# Altium PCB Archimajor.PcbDoc (part 8 of 12) (continued)
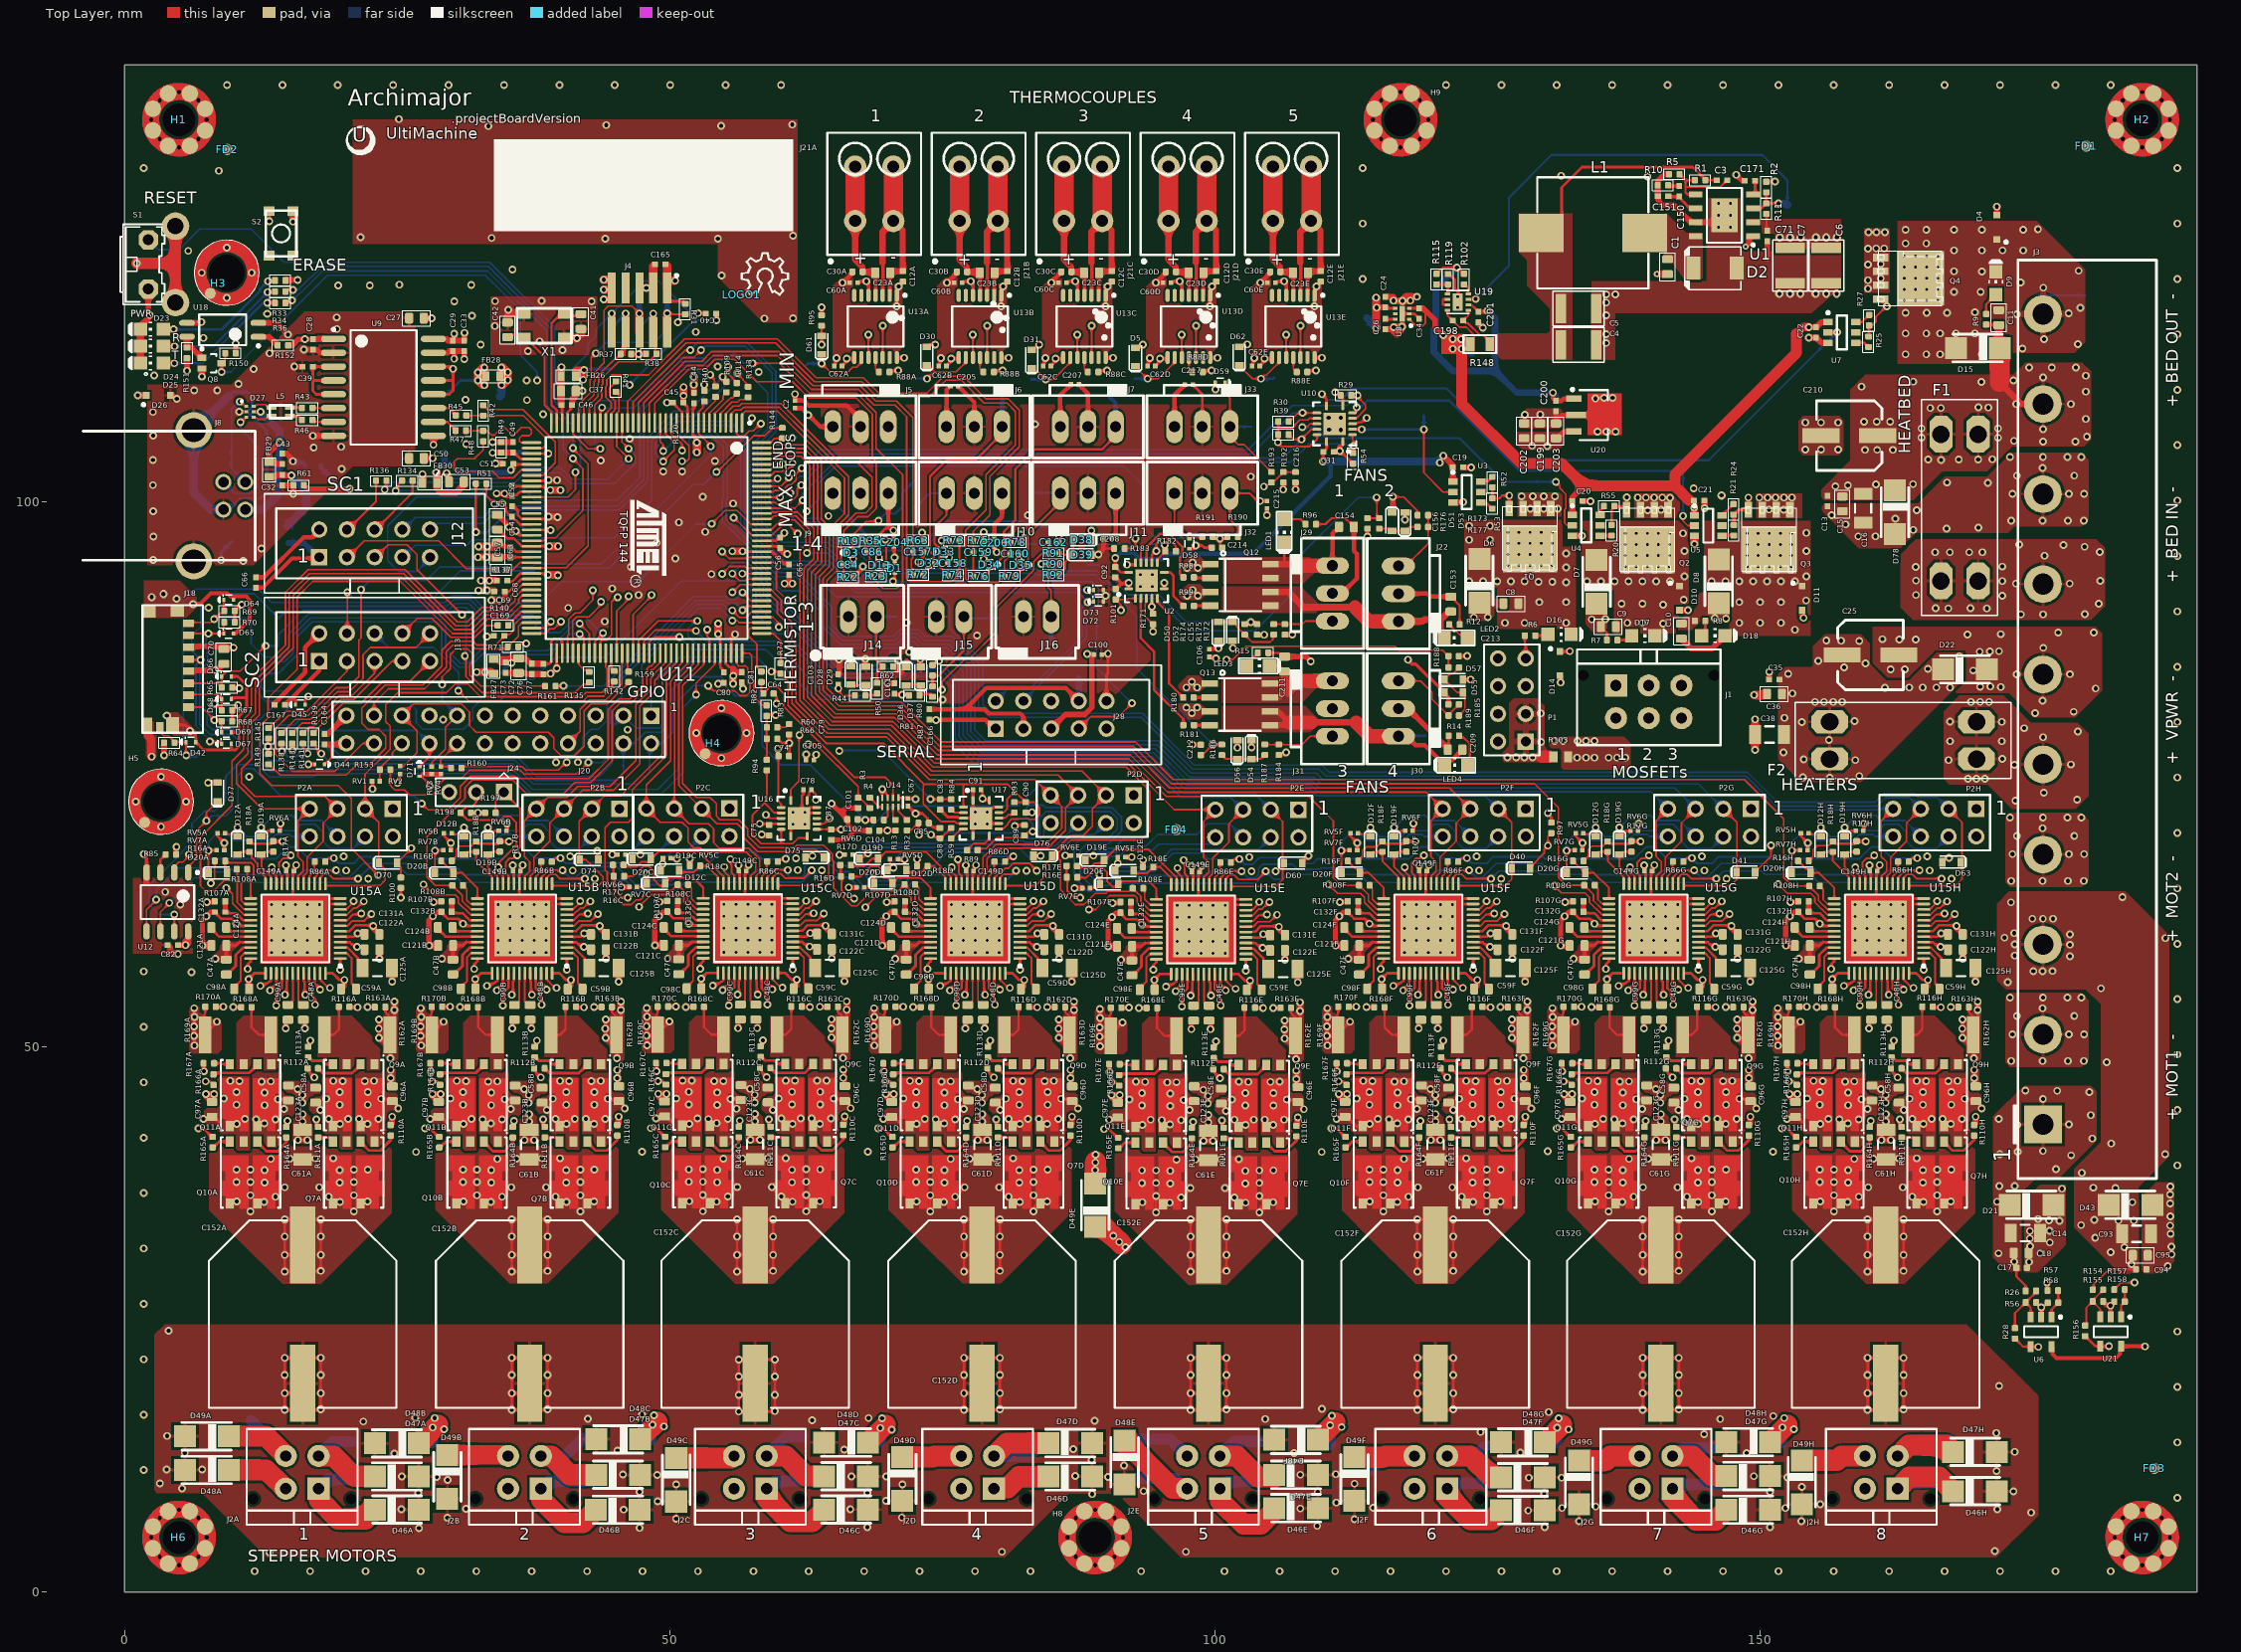
[diagram p0: Top Layer view]
## Nets (pads, with @x,y where several pads share a name; then routed paths per layer and width w, separated by ;. In a path a pad name is that pad's centre, name@x,y a point inside that pad or via, vN(x,y) a via of type N, cw(c..) or ccw(c..) an arc to the next point about the centre after c; other vN are vias at no path point) (continued)
  Top Layer w0.254: R112G.2@142.28,48.019 142.737,47.562 145.393,47.562 146.179,48.348 Q9G.2@146.179,48.395
NetQ9G_4: Q9G.4 R113G.1 | length 2.6
  Top Layer w0.254: R113G.1@141.264,48.911 141.569,48.911 141.774,48.705 142.686,48.705 142.996,48.395 Q9G.4@143.639,48.395
NetQ9H_1: Q9H.1 Q9H.3 R116H.2 R162H.2 | length 3.6
  Top Layer w0.203: R162H.2@163.511,51.075 164.335,51.075 164.835,51.575 R116H.2@164.835,53.658
NetQ9H_2: Q9H.2 R112H.2 | length 4.5
  Top Layer w0.254: R112H.2@162.93,48.019 163.387,47.562 166.043,47.562 166.829,48.348 Q9H.2@166.829,48.395
NetQ9H_4: Q9H.4 R113H.1 | length 2.6
  Top Layer w0.254: R113H.1@161.914,48.911 162.219,48.911 162.425,48.705 163.336,48.705 163.646,48.395 Q9H.4@164.289,48.395
NetQ10A_2: Q10A.2 R164A.2 | length 3.9
  Top Layer w0.254: Q10A.2@12.192,41.295 12.192,41.248 13.015,40.425 14.047,40.425 14.834,41.212 R164A.2@14.834,41.72
NetQ10A_4: Q10A.4 R165A.1 | length 1.6
  Top Layer w0.254: R165A.1@8.204,40.882 8.28,40.882 8.694,41.295 Q10A.4@9.652,41.295
NetQ10B_2: Q10B.2 R164B.2 | length 3.9
  Top Layer w0.254: Q10B.2@32.967,41.295 32.967,41.248 33.79,40.425 34.822,40.425 35.609,41.212 R164B.2@35.609,41.72
NetQ10B_4: Q10B.4 R165B.1 | length 1.6
  Top Layer w0.254: R165B.1@28.979,40.882 29.055,40.882 29.469,41.295 Q10B.4@30.427,41.295
NetQ10C_2: Q10C.2 R164C.2 | length 3.9
  Top Layer w0.254: Q10C.2@53.675,41.32 53.675,41.273 54.498,40.45 55.53,40.45 56.316,41.237 R164C.2@56.316,41.745
NetQ10C_4: Q10C.4 R165C.1 | length 1.6
  Top Layer w0.254: R165C.1@49.687,40.906 49.763,40.906 50.177,41.32 Q10C.4@51.135,41.32
NetQ10D_2: Q10D.2 R164D.2 | length 3.9
  Top Layer w0.254: Q10D.2@74.517,41.295 74.517,41.248 75.34,40.425 76.372,40.425 77.159,41.212 R164D.2@77.159,41.72
NetQ10D_4: Q10D.4 R165D.1 | length 1.6
  Top Layer w0.254: R165D.1@70.529,40.882 70.605,40.882 71.019,41.295 Q10D.4@71.977,41.295
NetQ10E_2: Q10E.2 R164E.2 | length 3.9
  Top Layer w0.254: Q10E.2@95.225,41.22 95.225,41.173 96.048,40.35 97.08,40.35 97.866,41.137 R164E.2@97.866,41.645
NetQ10E_4: Q10E.4 R165E.1 | length 1.6
  Top Layer w0.254: R165E.1@91.237,40.806 91.313,40.806 91.727,41.22 Q10E.4@92.685,41.22
NetQ10F_2: Q10F.2 R164F.2 | length 3.9
  Top Layer w0.254: Q10F.2@116.067,41.295 116.067,41.248 116.89,40.425 117.922,40.425 118.709,41.212 R164F.2@118.709,41.72
NetQ10F_4: Q10F.4 R165F.1 | length 1.6
  Top Layer w0.254: R165F.1@112.079,40.882 112.155,40.882 112.569,41.295 Q10F.4@113.527,41.295
NetQ10G_2: Q10G.2 R164G.2 | length 3.9
  Top Layer w0.254: Q10G.2@136.718,41.295 136.718,41.248 137.541,40.425 138.572,40.425 139.359,41.212 R164G.2@139.359,41.72
NetQ10G_4: Q10G.4 R165G.1 | length 1.6
  Top Layer w0.254: R165G.1@132.729,40.882 132.806,40.882 133.219,41.295 Q10G.4@134.178,41.295
NetQ10H_2: Q10H.2 R164H.2 | length 3.9
  Top Layer w0.254: Q10H.2@157.368,41.295 157.368,41.248 158.191,40.425 159.222,40.425 160.009,41.212 R164H.2@160.009,41.72
NetQ10H_4: Q10H.4 R165H.1 | length 1.6
  Top Layer w0.254: R165H.1@153.38,40.882 153.456,40.882 153.869,41.295 Q10H.4@154.828,41.295
NetQ11A_1: Q11A.1 Q11A.3 R168A.2 R169A.2 | length 3.9
  Top Layer w0.203: R168A.2@11.65,53.625 11.65,51.762 12.336,51.075 R169A.2@13.412,51.075
NetQ11A_2: Q11A.2 R166A.2 | length 4.5
  Top Layer w0.254: R166A.2@8.162,47.458 8.162,47.59 11.434,47.59 12.192,48.348 Q11A.2@12.192,48.395
NetQ11A_4: Q11A.4 R167A.1 | length 1.5
  Top Layer w0.203: R167A.1@8.217,48.475 8.84,48.475 8.92,48.395 Q11A.4@9.652,48.395
NetQ11B_1: Q11B.1 Q11B.3 R168B.2 R169B.2 | length 3.9
  Top Layer w0.203: R168B.2@32.425,53.625 32.425,51.762 33.111,51.075 R169B.2@34.187,51.075
NetQ11B_2: Q11B.2 R166B.2 | length 4.5
  Top Layer w0.254: R166B.2@28.937,47.458 28.937,47.59 32.209,47.59 32.967,48.348 Q11B.2@32.967,48.395
NetQ11B_4: Q11B.4 R167B.1 | length 1.5
  Top Layer w0.203: R167B.1@28.992,48.475 29.615,48.475 29.695,48.395 Q11B.4@30.427,48.395
NetQ11C_1: Q11C.1 Q11C.3 R168C.2 R169C.2 | length 3.9
  Top Layer w0.203: R168C.2@53.133,53.65 53.133,51.786 53.819,51.1 R169C.2@54.895,51.1
NetQ11C_2: Q11C.2 R166C.2 | length 4.5
  Top Layer w0.254: R166C.2@49.645,47.482 49.645,47.615 52.917,47.615 53.675,48.373 Q11C.2@53.675,48.42
NetQ11C_4: Q11C.4 R167C.1 | length 1.5
  Top Layer w0.203: R167C.1@49.7,48.5 50.323,48.5 50.403,48.42 Q11C.4@51.135,48.42
NetQ11D_1: Q11D.1 Q11D.3 R168D.2 R169D.2 | length 3.9
  Top Layer w0.203: R168D.2@73.975,53.625 73.975,51.762 74.661,51.075 R169D.2@75.737,51.075
NetQ11D_2: Q11D.2 R166D.2 | length 4.5
  Top Layer w0.254: R166D.2@70.487,47.458 70.487,47.59 73.759,47.59 74.517,48.348 Q11D.2@74.517,48.395
NetQ11D_4: Q11D.4 R167D.1 | length 1.5
  Top Layer w0.203: R167D.1@70.542,48.475 71.165,48.475 71.245,48.395 Q11D.4@71.977,48.395
NetQ11E_1: Q11E.1 Q11E.3 R168E.2 R169E.2 | length 3.9
  Top Layer w0.203: R168E.2@94.683,53.55 94.683,51.686 95.369,51 R169E.2@96.445,51
NetQ11E_2: Q11E.2 R166E.2 | length 4.5
  Top Layer w0.254: R166E.2@91.195,47.382 91.195,47.515 94.467,47.515 95.225,48.273 Q11E.2@95.225,48.32
NetQ11E_4: Q11E.4 R167E.1 | length 1.5
  Top Layer w0.203: R167E.1@91.25,48.4 91.873,48.4 91.953,48.32 Q11E.4@92.685,48.32
NetQ11F_1: Q11F.1 Q11F.3 R168F.2 R169F.2 | length 3.9
  Top Layer w0.203: R168F.2@115.525,53.625 115.525,51.762 116.211,51.075 R169F.2@117.287,51.075
NetQ11F_2: Q11F.2 R166F.2 | length 4.5
  Top Layer w0.254: R166F.2@112.037,47.458 112.037,47.59 115.309,47.59 116.067,48.348 Q11F.2@116.067,48.395
NetQ11F_4: Q11F.4 R167F.1 | length 1.5
  Top Layer w0.203: R167F.1@112.092,48.475 112.715,48.475 112.795,48.395 Q11F.4@113.527,48.395
NetQ11G_1: Q11G.1 Q11G.3 R168G.2 R169G.2 | length 3.9
  Top Layer w0.203: R168G.2@136.175,53.625 136.175,51.762 136.862,51.075 R169G.2@137.938,51.075
NetQ11G_2: Q11G.2 R166G.2 | length 4.5
  Top Layer w0.254: R166G.2@132.688,47.458 132.688,47.59 135.959,47.59 136.718,48.348 Q11G.2@136.718,48.395
NetQ11G_4: Q11G.4 R167G.1 | length 1.5
  Top Layer w0.203: R167G.1@132.743,48.475 133.366,48.475 133.446,48.395 Q11G.4@134.178,48.395
NetQ11H_1: Q11H.1 Q11H.3 R168H.2 R169H.2 | length 3.9
  Top Layer w0.203: R168H.2@156.825,53.625 156.825,51.762 157.512,51.075 R169H.2@158.588,51.075
NetQ11H_2: Q11H.2 R166H.2 | length 4.5
  Top Layer w0.254: R166H.2@153.338,47.458 153.338,47.59 156.61,47.59 157.368,48.348 Q11H.2@157.368,48.395
NetQ11H_4: Q11H.4 R167H.1 | length 1.5
  Top Layer w0.203: R167H.1@153.393,48.475 154.016,48.475 154.096,48.395 Q11H.4@154.828,48.395
NetQ12_2: Q12.2 R98.2 | length 1.5
  Top Layer w0.229: R98.2@98.05,93.034 98.114,92.971 Q12.2@99.563,92.971
NetQ12_4: Q12.4 R99.2 | length 1.5
  Top Layer w0.229: R99.2@98.05,90.409 98.072,90.431 Q12.4@99.563,90.431
NetQ13_2: Q13.2 R180.2 | length 1.5
  Top Layer w0.254: R180.2@98.025,82.009 99.489,82.009 Q13.2@99.5,82.02
NetQ13_4: Q13.4 R181.2 | length 1.5
  Top Layer w0.254: R181.2@98.05,79.434 98.096,79.48 Q13.4@99.5,79.48
NetR2_2: R2.2 R11.1 R28.1 R156.1 TP69.TP U1.3 U6.4 U19.3 U21.4 | length 196
  Top Layer w0.203: U19.3@123.199,118.525 123.864,118.525 v1(123.893,118.554) ; U1.3@149.319,126.866 150.075,126.866 R11.1@150.529,127.32 ; R2.2@150.529,128.339 R11.1@150.529,127.32 ; v5(151.641,127.298) 151.619,127.32 R11.1@150.529,127.32 ; R28.1@173.329,23.237 173.349,23.237 173.526,23.06 173.526,23.04 174.06,22.505 U6.4@174.776,22.505 175.432,22.505 v1(175.469,22.469) ; R156.1@179.768,23.467 179.788,23.467 179.965,23.29 179.965,23.27 180.694,22.541 181.135,22.541 U21.4@181.155,22.521 181.934,22.521 v1(181.94,22.528)
  Mid1 w0.203: v1@123.821,118.483 v1(123.893,118.554) ; v5(151.641,127.298) 154.086,129.742 176.135,129.742 185.743,120.134 185.743,26.33 v1(181.94,22.528) 175.528,22.528 v1(175.469,22.469)
  Bottom Layer w0.203: v1(123.893,118.554) 126.941,121.602 126.941,127.857 130.843,131.759 150.168,131.759 152.476,129.451 TP69.TP@152.476,127.178
  Bottom Layer w0.711: v5(151.641,127.298) 152.356,127.298 TP69.TP@152.476,127.178
NetR3_2: R3.2 U14.5 | length 1.5
  Top Layer w0.165: R3.2@68.343,72.842 68.352,72.842 68.547,72.647 68.547,72.638 69.198,71.987 U14.5@69.468,71.987
NetR4_2: R4.2 U14.6 | length 1.3
  Top Layer w0.165: R4.2@69.63,70.784 69.63,70.794 69.825,70.989 69.835,70.989 69.968,71.122 U14.6@69.968,71.987
NetR13_2: R13.2 U14.7 | length 1.3
  Top Layer w0.165: U14.7@70.468,71.987 70.468,71.086 70.489,71.065 70.489,70.987 70.683,70.792 R13.2@70.693,70.792
NetR20_1: R20.1 U4.4 | length 1.3
  Top Layer w0.203: U4.4@135.143,97.041 U4.4@135.32,96.864
  Top Layer w0.254: U4.4@135.3,96.844 135.32,96.864 R20.1@136.35,96.864
NetR21_1: R21.1 U5.4 | length 1.1
  Top Layer w0.203: U5.4@146.546,96.888 147.529,96.888 R21.1@147.551,96.866
  Top Layer w0.254: U5.4@146.485,96.827 U5.4@146.546,96.888
NetR24_1: R24.1 U5.6 | length 1.5
  Top Layer w0.203: U5.6@146.485,98.727 146.497,98.727 R24.1@147.526,99.756
NetR25_1: R25.1 U7.4 | length 1.3
  Top Layer w0.203: U7.4@158.738,114.543 159.512,114.543 R25.1@159.905,114.149
NetR26_2: R26.2 R28.2 R56.2 U6.3 | length 5.8
  Top Layer w0.203: R28.2@173.329,24.199 173.329,25.565 174.115,26.351 174.134,26.351 R56.2@174.311,26.528 ; U6.3@174.776,25.205 174.776,26.083 174.508,26.351 174.489,26.351 R56.2@174.311,26.528 ; R26.2@175.278,27.6 175.106,27.428 175.106,27.342 174.508,26.745 174.489,26.745 174.311,26.568 R56.2@174.311,26.548 R56.2@174.311,26.528
NetR27_1: R27.1 U7.6 | length 1.5
  Top Layer w0.178: U7.6@158.75,116.43 159.296,116.43 R27.1@159.956,117.091
NetR32_2: R32.2 U14.8 | length 1.5
  Top Layer w0.165: U14.8@70.968,71.987 70.968,71.566 71.539,70.996 71.539,70.987 71.733,70.792 R32.2@71.743,70.792
NetR42_1: R42.1 U11.43 | length 12.6
  Top Layer w0.152: R42.1@32.893,108.824 33.297,108.421 36.539,108.421 39.51,105.45 39.51,103.548 38.349,102.388 U11.43@37.329,102.388
NetR48_1: R48.1 U11.42 | length 12.2
  Top Layer w0.152: R48.1@32.893,105.502 32.893,104.712 32.08,103.899 30.505,103.899 30.226,103.62 30.226,103.036 30.505,102.756 33.757,102.756 34.329,102.184 35.662,102.184 36.365,102.888 U11.42@37.329,102.888
NetR51_1: R51.1 U11.53 | length 13.8
  Top Layer w0.203: v1@32.21,97.174 R51.1@32.21,101.613 ; U11.53@37.329,97.388 39.049,97.388 v1(39.065,97.372)
  Bottom Layer w0.203: v1@32.283,97.13 33.238,97.13 34.419,98.311 35.795,98.311 36.176,97.93 36.189,97.93 36.748,97.372 v1(39.065,97.372)
  other v1: 32.215,97.174
NetR52_1: R52.1 U3.6 | length 1.3
  Top Layer w0.254: U3.6@124.345,101.811 124.436,101.902 125.064,101.902 125.239,102.077 125.239,102.102 125.392,102.255 R52.1@125.417,102.255
NetR53_1: R53.1 U3.4 | length 1.3
  Top Layer w0.203: U3.4@124.345,99.911 124.475,99.781 124.956,99.781 125.22,99.517 125.22,99.497 125.397,99.32 R53.1@125.417,99.32
NetR55_1: R55.1 U4.6 | length 0.9
  Top Layer w0.203: U4.6@135.3,98.744 135.3,99.159 R55.1@135.656,99.516
NetR57_1: R57.1 R58.2 U6.1 | length 2.7
  Top Layer w0.203: U6.1@176.676,25.205 176.676,25.897 177.105,26.326 177.125,26.326 177.302,26.503 R58.2@177.302,26.523 177.302,27.614 R57.1@177.276,27.639
NetR59_2: R59.2 U17.6 | length 1.5
  Top Layer w0.165: R59.2@75.8,69.097 75.831,69.097 76.637,69.904 76.637,69.907 76.69,69.96 U17.6@76.919,69.96
NetR77_2: R77.2 U11.109 | length 4.1
  Top Layer w0.165: U11.109@58.429,87.888 59.49,87.888 60.168,87.209 R77.2@60.168,85.167
NetR82_2: R82.2 U11.110 | length 5.5
  Top Layer w0.165: R82.2@58.393,84.392 57.993,84.792 57.993,86.898 57.243,87.648 57.243,88.193 57.437,88.388 U11.110@58.429,88.388
NetR83_2: R83.2 U11.108 | length 6.3
  Top Layer w0.165: U11.108@56.629,86.088 57.271,86.088 57.518,85.841 57.518,83.759 57.718,83.559 57.718,82.084 58.51,81.292 R83.2@58.868,81.292
NetR84_2: R84.2 U17.3 | length 1.2
  Top Layer w0.165: R84.2@75.8,71.727 75.841,71.727 76.109,71.46 U17.3@76.919,71.46
NetR86A_2: R86A.2 U15A.16 | length 2.2
  Top Layer w0.166: U15A.16@16.932,64.935 16.932,65.592 17.406,66.066 R86A.2@17.406,66.96
NetR86B_2: R86B.2 U15B.16 | length 2.2
  Top Layer w0.166: U15B.16@37.707,64.935 37.707,65.592 38.181,66.066 R86B.2@38.181,66.96
NetR86C_2: R86C.2 U15C.16 | length 2.2
  Top Layer w0.166: U15C.16@58.415,64.96 58.415,65.617 58.888,66.09 R86C.2@58.888,66.984
NetR86D_2: R86D.2 U15D.16 | length 2.2
  Top Layer w0.166: U15D.16@79.257,64.935 79.257,65.592 79.731,66.066 R86D.2@79.731,66.96
NetR86E_2: R86E.2 U15E.16 | length 2.2
  Top Layer w0.166: U15E.16@99.965,64.86 99.965,65.517 100.438,65.99 R86E.2@100.438,66.884
NetR86F_2: R86F.2 U15F.16 | length 2.2
  Top Layer w0.166: U15F.16@120.807,64.935 120.807,65.592 121.281,66.066 R86F.2@121.281,66.96
NetR86G_2: R86G.2 U15G.16 | length 2.2
  Top Layer w0.166: U15G.16@141.458,64.935 141.458,65.592 141.931,66.066 R86G.2@141.931,66.96
NetR86H_2: R86H.2 U15H.16 | length 2.2
  Top Layer w0.166: U15H.16@162.108,64.935 162.108,65.592 162.581,66.066 R86H.2@162.581,66.96
NetR88A_1: R88A.1 U13A.11 | length 1.5
  Top Layer w0.166: U13A.11@68.865,113.189 68.865,112.172 R88A.1@69.177,111.859
NetR88B_1: R88B.1 U13B.11 | length 1.5
  Top Layer w0.166: U13B.11@78.441,113.189 78.441,112.172 R88B.1@78.753,111.859
NetR88C_1: R88C.1 U13C.11 | length 1.5
  Top Layer w0.166: U13C.11@88.016,113.189 88.016,112.172 R88C.1@88.329,111.859
NetR88D_1: R88D.1 U13D.11 | length 1.5
  Top Layer w0.166: U13D.11@97.592,113.189 97.592,112.172 R88D.1@97.905,111.859
NetR88E_1: R88E.1 U13E.11 | length 1.5
  Top Layer w0.166: U13E.11@107.168,113.189 107.168,112.172 R88E.1@107.48,111.859
NetR89_2: R89.2 U17.8 | length 2.8
  Top Layer w0.166: R89.2@77.254,68.016 77.254,68.026 77.465,68.238 77.467,68.238 77.872,68.643 78.878,68.643 79.3,69.065 U17.8@79.3,69.329
NetR93_2: R93.2 U17.11 | length 1.6
  Top Layer w0.165: U17.11@80.181,70.96 80.203,70.982 80.752,70.982 81.043,71.273 81.414,71.273 R93.2@81.593,71.452
NetR94_2: R94.2 U16.3 U16.6 U16.8 | length 15.4
  Top Layer w0.165: 58.655,72.322 57.593,71.259 57.593,69.382 58.363,68.612 60.212,68.612 ; R94.2@58.893,75.347 58.893,72.559 58.684,72.35 59.109,71.926 59.578,71.456 60.19,71.456 U16.3@60.212,71.434 ; U16.6@60.212,69.934 60.212,68.612 ; U16.8@62.593,69.304 62.593,69.179 62.54,69.126 61.778,69.126 61.263,68.612 60.212,68.612
NetR98_1: R98.1 U2.11 | length 8.7
  Top Layer w0.229: U2.11@93.699,94.369 93.699,95.772 94.942,97.014 95.813,97.014 96.997,95.83 96.997,95.064 96.756,94.822 96.756,93.367 R98.1@97.088,93.034
NetR99_1: R99.1 U2.8 | length 4.1
  Top Layer w0.229: U2.8@95.329,93.488 95.864,93.488 96.193,93.159 96.193,91.304 96.897,90.6 96.923,90.6 97.088,90.435 R99.1@97.088,90.409
NetR102_1: R102.1 U19.4 | length 1.1
  Top Layer w0.152: R102.1@122.782,119.799 122.973,119.799 123.199,119.574 U19.4@123.199,119.025
NetR108A_1: R108A.1 U15A.26 | length 4.1
  Top Layer w0.152: U15A.26@11.004,63.099 10.703,63.4 10.703,64.956 11.253,65.506 R108A.1@11.253,66.276
  Top Layer w0.178: U15A.26@11.004,63.099 11.569,63.099 U15A.26@11.582,63.085
NetR108B_1: R108B.1 U15B.26 | length 2.6
  Top Layer w0.152: R108B.1@31.028,64.776 31.028,64.77 31.25,64.547 31.257,64.547 31.398,64.406 31.398,63.429 31.723,63.104 32.339,63.104 U15B.26@32.357,63.085
NetR108C_1: R108C.1 U15C.26 | length 2.7
  Top Layer w0.152: R108C.1@51.678,64.851 51.678,64.845 51.9,64.622 51.907,64.622 51.998,64.531 51.998,63.562 52.431,63.128 53.047,63.128 U15C.26@53.065,63.11
NetR108D_1: R108D.1 U15D.26 | length 2.8
  Top Layer w0.152: R108D.1@72.478,64.901 72.838,64.541 72.838,63.539 73.273,63.104 73.889,63.104 U15D.26@73.907,63.085
NetR108E_1: R108E.1 U15E.26 | length 2.4
  Top Layer w0.152: R108E.1@93.403,64.526 93.546,64.383 93.546,63.503 94.021,63.028 94.597,63.028 U15E.26@94.615,63.01
NetR108F_1: R108F.1 U15F.26 | length 2.6
  Top Layer w0.152: R108F.1@114.153,64.801 114.153,64.756 114.423,64.486 114.423,63.504 114.823,63.104 115.439,63.104 U15F.26@115.457,63.085
NetR108G_1: R108G.1 U15G.26 | length 2.6
  Top Layer w0.152: R108G.1@134.803,64.801 134.803,64.778 135.098,64.483 135.098,63.479 135.473,63.104 136.089,63.104 U15G.26@136.108,63.085
NetR108H_1: R108H.1 U15H.26 | length 2.6
  Top Layer w0.152: R108H.1@155.428,64.726 155.428,64.72 155.65,64.497 155.657,64.497 155.748,64.406 155.748,63.48 156.124,63.104 156.739,63.104 U15H.26@156.758,63.085
NetR115_1: R115.1 R119.2 U19.5 | length 1.8
  Top Layer w0.178: R115.1@120.306,119.904 120.309,119.901 R119.2@121.335,119.901
  Top Layer w0.229: U19.5@121.332,119.036 R119.2@121.332,119.831
NetR152_2: R152.2 U18.1 | length 2.1
  Top Layer w0.508: U18.1@12.279,115.091 13.263,115.091 R152.2@14.05,114.304
NetR154_2: R154.2 R155.2 R156.2 U21.3 | length 5.7
  Top Layer w0.152: R156.2@179.768,24.43 179.879,24.541 179.879,26.065 R155.2@180.454,26.64 ; U21.3@181.155,25.221 181.155,25.939 R155.2@180.454,26.64 ; R154.2@181.419,27.707 180.454,26.741 R155.2@180.454,26.64
NetR157_1: R157.1 R158.2 U21.1 | length 2.7
  Top Layer w0.203: U21.1@183.055,25.221 183.055,26.269 R158.2@183.401,26.614 183.398,26.617 R157.1@183.398,27.732
NetR180_1: R180.1 U2.6 | length 10.1
  Top Layer w0.229: U2.6@94.699,91.107 94.709,91.098 94.709,90.776 95.768,89.717 95.768,83.304 96.872,82.2 96.898,82.2 97.063,82.035 R180.1@97.063,82.009
NetR181_1: R181.1 U2.3 | length 13.3
  Top Layer w0.229: U2.3@93.199,91.107 93.189,91.098 93.189,90.779 93.17,90.76 93.17,87.457 94.393,86.234 94.393,82.734 97.088,80.039 R181.1@97.088,79.434
NetS2_2: S2.2
NetS2_4: S2.4
NetTP35_1: TP35.1 U3.2 U10.3 | length 15.4
  Top Layer w0.152: U10.3@112.586,106.609 113.286,106.609 113.361,106.533 113.361,106.609 v1@113.361,106.624 ; v1(119.129,106.595) 119.129,102.629 120.897,100.861 U3.2@121.695,100.861 ; U3.2@121.67,100.886 U3.2@121.695,100.861 ; U3.2@121.795,100.761 U3.2@121.695,100.861 ; U3.2@121.795,100.861 U3.2@121.695,100.861
  Bottom Layer w0.203: v1(113.436,106.595) v1(119.129,106.595)
  Bottom Layer w0.254: v1(119.129,106.595) TP35.1@119.129,107.861
NetTP59_1: TP59.1 U4.2 U10.11 | length 31.9
  Top Layer w0.152: v1(107.985,106.795) 108.066,106.795 108.079,106.809 108.079,106.759 108.141,106.821 108.411,106.821 108.699,107.109 U10.11@109.336,107.109 ; v1(131.243,101.784) 131.593,101.434 131.593,101.218 132.16,100.651 132.16,99.354 132.045,99.239 132.045,98.023 132.25,97.819 132.725,97.819 U4.2@132.75,97.794
  Bottom Layer w0.203: v1(107.985,106.795) 109.157,106.795 110.143,105.809 122.4,105.809 126.425,101.784 TP59.1@130.193,101.784 v1(131.243,101.784)
NetTP63_1: TP63.1 U5.2 U10.6 | length 39.5
  Top Layer w0.152: v1(142.893,98.659) 142.893,98.206 143.321,97.777 U5.2@143.935,97.777
  Top Layer w0.203: U10.6@112.586,108.109 112.825,108.109 112.918,108.202 112.918,108.421 112.979,108.482 v1(112.979,108.619)
  Bottom Layer w0.203: v1(112.979,108.619) 113.328,108.619 113.943,109.234 121.464,109.234 127.914,102.784 TP63.1@142.893,102.784 v1(142.893,98.659)
NetTP65_1: TP65.1 U7.2 U10.8 | length 57.4
  Top Layer w0.152: U7.2@156.188,115.493 v1@156.83,115.493
  Top Layer w0.203: v1(109.793,109.834) 110.211,109.416 U10.8@110.211,108.734
  Bottom Layer w0.203: v1(109.793,109.834) 110.318,109.309 111.518,109.309 112.578,110.37 121.218,110.37 127.816,103.772 145.237,103.772 TP65.1@155.917,114.452 155.972,114.452 v1(157.022,115.502)
NetU8_5: U8.5
NetU13A_6: U13A.6
NetU13A_7: U13A.7
NetU13A_13: U13A.13
NetU13B_6: U13B.6
NetU13B_7: U13B.7
NetU13B_13: U13B.13
NetU13C_6: U13C.6
NetU13C_7: U13C.7
NetU13C_13: U13C.13
NetU13D_6: U13D.6
NetU13D_7: U13D.7
NetU13D_13: U13D.13
NetU13E_6: U13E.6
NetU13E_7: U13E.7
NetU13E_13: U13E.13
NetU16_11: U16.11
NetU19_6: U19.6 U19.7 | length 1.4
  Top Layer w0.2: U19.7@121.332,118.036 120.877,118.036 120.877,118.536 U19.6@121.332,118.536
NRST: D71.C J20.18 J28.6 R145.2 R149.1 | length 86.3
  Top Layer w0.152: R149.1@13.259,76.871 13.162,76.968 v1(13.162,77.526) 13.225,77.526 13.162,77.59 13.162,78.174 R145.2@13.259,78.271 ; D71.C@27,75.685 D71.C@27.05,75.685 27.1,75.685 27.174,75.759 27.174,75.809 27.965,76.6 J20.18@27.965,77.814
  Mid1 w0.254: J20.18@27.995,78.22 28.373,78.22 29.312,79.16 31.279,79.16 31.775,79.657 31.775,81.042 32.304,81.57 49.332,81.57 50.993,79.909 50.993,77.659 52.993,75.659 66.543,75.659 68.318,77.434 80.443,77.434 81.193,78.184 81.193,79.759 81.843,80.409 83.67,80.409 J28.6@84.957,81.696
  Bottom Layer w0.152: v1@13.259,77.534 14.707,78.982 26.797,78.982 J20.18@27.965,77.814
OAAA: C99A.2 C123A.2 D49A.K J2A.4 Q10A.1 Q11A.7 TP41A.1 U15A.40 | length 75.1
  Top Layer w0.203: v1(12.064,43.338) 12.531,42.871 12.806,42.871 12.825,42.89 v1(12.825,42.96) ; Q11A.7@12.192,42.725 12.427,42.96 v1(12.825,42.96) ; v1(12.576,46.808) 12.581,46.813 v1(13.426,46.813) 12.851,46.238 v1(12.851,45.783) v1(12.851,44.633) 12.948,44.536 12.948,44.229 v1(13.839,43.338) 13.364,42.863 13.267,42.96 v1(12.825,42.96) ; v1(14.085,45.183) v1@14.137,45.131 ; v1(14.63,44.286) 14.163,44.753 14.163,45.105 v1@14.137,45.131 ; C123A.2@15.037,45.079 14.984,45.131 v1@14.137,45.131
  Top Layer w0.229: v1@13.966,53.799 v1(13.927,53.76) 13.927,54.377 14.021,54.471 14.021,55.009 14.432,55.421 U15A.40@14.432,56.735
  Top Layer w0.254: v1(14.783,51.677) 14.783,52.266 C99A.2@14.987,52.47
  Top Layer w1.905: D49A.K@9.548,14.284 12.977,14.284 J2A.4@14.791,12.47
  Mid1 w0.254: v1@13.78,53.907 v1(13.927,53.76) 14.783,52.904 v1(14.783,51.677) 14.783,44.921 14.63,44.768 v1(14.63,44.286)
  Mid1 w2.54: v1@12.951,45.91 12.951,41.96 12.076,41.085 8.451,41.085 8.076,40.71 8.076,19.185 J2A.4@14.791,12.47
  Bottom Layer w1.016: TP41A.1@11.63,15.691 14.791,12.53 J2A.4@14.791,12.47
OAAB: C99B.2 C123B.2 D49B.K J2B.4 Q10B.1 Q11B.7 TP41B.1 U15B.40 | length 73
  Top Layer w0.203: v1(32.839,43.338) 33.306,42.871 33.581,42.871 33.6,42.89 v1(33.6,42.96) ; Q11B.7@32.967,42.725 33.202,42.96 v1(33.6,42.96) ; v1(33.351,46.808) 33.356,46.813 v1(34.201,46.813) 33.626,46.238 v1(33.626,45.783) v1(33.626,44.633) 33.723,44.536 33.723,44.229 v1(34.614,43.338) 34.139,42.863 34.042,42.96 v1(33.6,42.96) ; v1(34.86,45.183) v1@34.912,45.131 ; v1(35.405,44.286) 34.938,44.753 34.938,45.105 v1@34.912,45.131 ; C123B.2@35.812,45.079 35.759,45.131 v1@34.912,45.131
  Top Layer w0.229: v1@34.741,53.799 v1(34.702,53.76) 34.702,54.377 34.796,54.471 34.796,55.009 35.207,55.421 U15B.40@35.207,56.735
  Top Layer w0.254: v1(35.558,51.677) 35.558,52.266 C99B.2@35.762,52.47
  Top Layer w1.778: D49B.K@29.599,12.56 35.017,12.56 35.107,12.47 J2B.4@35.175,12.47
  Mid1 w0.254: v1@34.555,53.907 v1(34.702,53.76) 35.558,52.904 v1(35.558,51.677) 35.558,44.921 35.405,44.768 v1(35.405,44.286)
  Mid1 w2.54: v1@33.726,45.91 33.726,41.96 32.851,41.085 29.226,41.085 28.851,40.71 28.851,18.794 J2B.4@35.175,12.47
  Bottom Layer w1.016: TP41B.1@32.294,12.462 35.167,12.462 J2B.4@35.175,12.47
OAAC: C99C.2 C123C.2 D49C.K J2C.4 Q10C.1 Q11C.7 TP41C.1 U15C.40 | length 73.6
  Top Layer w0.203: v1(53.547,43.362) 54.014,42.895 54.289,42.895 54.308,42.915 v1(54.308,42.984) ; Q11C.7@53.675,42.75 53.91,42.984 v1(54.308,42.984) ; v1(54.059,46.833) 54.063,46.837 v1(54.909,46.837) 54.334,46.262 v1(54.334,45.808) v1(54.334,44.658) 54.431,44.561 54.431,44.253 v1(55.322,43.362) 54.847,42.887 54.75,42.984 v1(54.308,42.984) ; v1(55.568,45.208) v1@55.62,45.155 ; v1(56.113,44.31) 55.646,44.777 55.646,45.129 v1@55.62,45.155 ; C123C.2@56.52,45.103 56.467,45.155 v1@55.62,45.155
  Top Layer w0.229: v1@55.449,53.824 v1(55.41,53.784) 55.41,54.402 55.504,54.495 55.504,55.033 55.915,55.445 U15C.40@55.915,56.76
  Top Layer w0.254: v1(56.266,51.701) 56.266,52.29 C99C.2@56.47,52.495
  Top Layer w1.905: D49C.K@50.58,12.296 55.675,12.296 55.849,12.47 J2C.4@55.883,12.47
  Mid1 w0.254: v1@55.263,53.931 v1(55.41,53.784) 56.266,52.928 v1(56.266,51.701) 56.266,44.945 56.113,44.793 v1(56.113,44.31)
  Mid1 w2.54: v1@54.434,45.934 54.434,41.984 53.559,41.109 49.934,41.109 49.559,40.734 49.559,18.794 J2C.4@55.883,12.47
  Bottom Layer w1.016: TP41C.1@52.224,12.363 55.776,12.363 J2C.4@55.883,12.47
OAAD: C99D.2 C123D.2 D49D.K J2D.4 Q10D.1 Q11D.7 TP41D.1 U15D.40 | length 72.9
  Top Layer w0.203: v1(74.389,43.338) 74.856,42.871 75.131,42.871 75.15,42.89 v1(75.15,42.96) ; Q11D.7@74.517,42.725 74.752,42.96 v1(75.15,42.96) ; v1(74.901,46.808) 74.906,46.813 v1(75.751,46.813) 75.176,46.238 v1(75.176,45.783) v1(75.176,44.633) 75.273,44.536 75.273,44.229 v1(76.164,43.338) 75.689,42.863 75.592,42.96 v1(75.15,42.96) ; v1(76.41,45.183) v1@76.462,45.131 ; v1(76.955,44.286) 76.488,44.753 76.488,45.105 v1@76.462,45.131 ; C123D.2@77.362,45.079 77.309,45.131 v1@76.462,45.131
  Top Layer w0.229: v1@76.291,53.799 v1(76.252,53.76) 76.252,54.377 76.346,54.471 76.346,55.009 76.757,55.421 U15D.40@76.757,56.735
  Top Layer w0.254: v1(77.108,51.677) 77.108,52.266 C99D.2@77.312,52.47
  Top Layer w1.905: D49D.K@71.323,12.375 74.121,12.375 74.216,12.47 J2D.4@76.725,12.47
  Mid1 w0.254: v1@76.105,53.907 v1(76.252,53.76) 77.108,52.904 v1(77.108,51.677) 77.108,44.921 76.955,44.768 v1(76.955,44.286)
  Mid1 w2.54: v1@75.276,45.91 75.276,41.96 74.401,41.085 70.776,41.085 70.401,40.71 70.401,18.794 J2D.4@76.725,12.47
  Bottom Layer w1.016: TP41D.1@73.72,12.482 76.714,12.482 J2D.4@76.725,12.47
OAAE: C99E.2 C123E.2 D49E.K J2E.4 Q10E.1 Q11E.7 TP41E.1 U15E.40 | length 72.7
  Top Layer w0.203: v1(95.097,43.262) 95.564,42.795 95.839,42.795 95.858,42.815 v1(95.858,42.884) ; Q11E.7@95.225,42.65 95.46,42.884 v1(95.858,42.884) ; v1(95.609,46.733) 95.613,46.737 v1(96.459,46.737) 95.884,46.162 v1(95.884,45.708) v1(95.884,44.558) 95.981,44.461 95.981,44.153 v1(96.872,43.262) 96.397,42.787 96.3,42.884 v1(95.858,42.884) ; v1(97.118,45.108) v1@97.17,45.055 ; v1(97.663,44.21) 97.196,44.677 97.196,45.029 v1@97.17,45.055 ; C123E.2@98.07,45.003 98.017,45.055 v1@97.17,45.055
  Top Layer w0.229: v1@96.999,53.724 v1(96.96,53.684) 96.96,54.302 97.054,54.395 97.054,54.933 97.465,55.345 U15E.40@97.465,56.66
  Top Layer w0.254: v1(97.816,51.601) 97.816,52.19 C99E.2@98.02,52.395
  Top Layer w1.905: D49E.K@89.015,33.463 89.066,33.413 89.897,33.413 v1@91.413,31.897
  Mid1 w0.254: v1@96.813,53.831 v1(96.96,53.684) 97.816,52.828 v1(97.816,51.601) 97.816,44.845 97.663,44.693 v1(97.663,44.21)
  Mid1 w2.54: v1@95.984,45.834 95.984,41.884 95.109,41.009 91.484,41.009 91.109,40.634 91.109,18.794 J2E.4@97.433,12.47
  Bottom Layer w1.016: TP41E.1@92.819,14.007 95.896,14.007 J2E.4@97.433,12.47
  other v1: 91.769,31.62 91.214,32.095 90.655,32.655
OAAF: C99F.2 C123F.2 D49F.K J2F.4 Q10F.1 Q11F.7 TP41F.1 U15F.40 | length 74.6
  Top Layer w0.203: v1(115.939,43.338) 116.406,42.871 116.681,42.871 116.7,42.89 v1(116.7,42.96) ; Q11F.7@116.067,42.725 116.302,42.96 v1(116.7,42.96) ; v1(116.451,46.808) 116.456,46.813 v1(117.301,46.813) 116.726,46.238 v1(116.726,45.783) v1(116.726,44.633) 116.823,44.536 116.823,44.229 v1(117.714,43.338) 117.239,42.863 117.142,42.96 v1(116.7,42.96) ; v1(117.96,45.183) v1@118.012,45.131 ; v1(118.505,44.286) 118.038,44.753 118.038,45.105 v1@118.012,45.131 ; C123F.2@118.912,45.079 118.859,45.131 v1@118.012,45.131
  Top Layer w0.229: v1@117.841,53.799 v1(117.802,53.76) 117.802,54.377 117.896,54.471 117.896,55.009 118.307,55.421 U15F.40@118.307,56.735
  Top Layer w0.254: v1(118.658,51.677) 118.658,52.266 C99F.2@118.862,52.47
  Top Layer w1.905: D49F.K@112.77,12.361 115.463,12.361 115.571,12.47 J2F.4@118.275,12.47
  Mid1 w0.254: v1@117.655,53.907 v1(117.802,53.76) 118.658,52.904 v1(118.658,51.677) 118.658,44.921 118.505,44.768 v1(118.505,44.286)
  Mid1 w2.54: v1@116.826,45.91 116.826,41.96 115.951,41.085 112.326,41.085 111.951,40.71 111.951,18.794 J2F.4@118.275,12.47
  Bottom Layer w1.016: TP41F.1@114.216,11.134 115.552,12.47 J2F.4@118.275,12.47